# Altium PCB MU_MP_39_V1_ASMB.PcbDoc (part 7 of 15)
Units mm, origin at the board's own origin, x right, y up, seen from the top; angles counter-clockwise.
Board outline 133 x 94 mm, 8 copper layers (Top Layer, GND_1, POWER_1, POWER_2, GND_2, Inner_Layer, GND_3, Bottom Layer), stack 1.468 mm thick; 934 components, 729 nets, 4006 pads, 2645 vias.
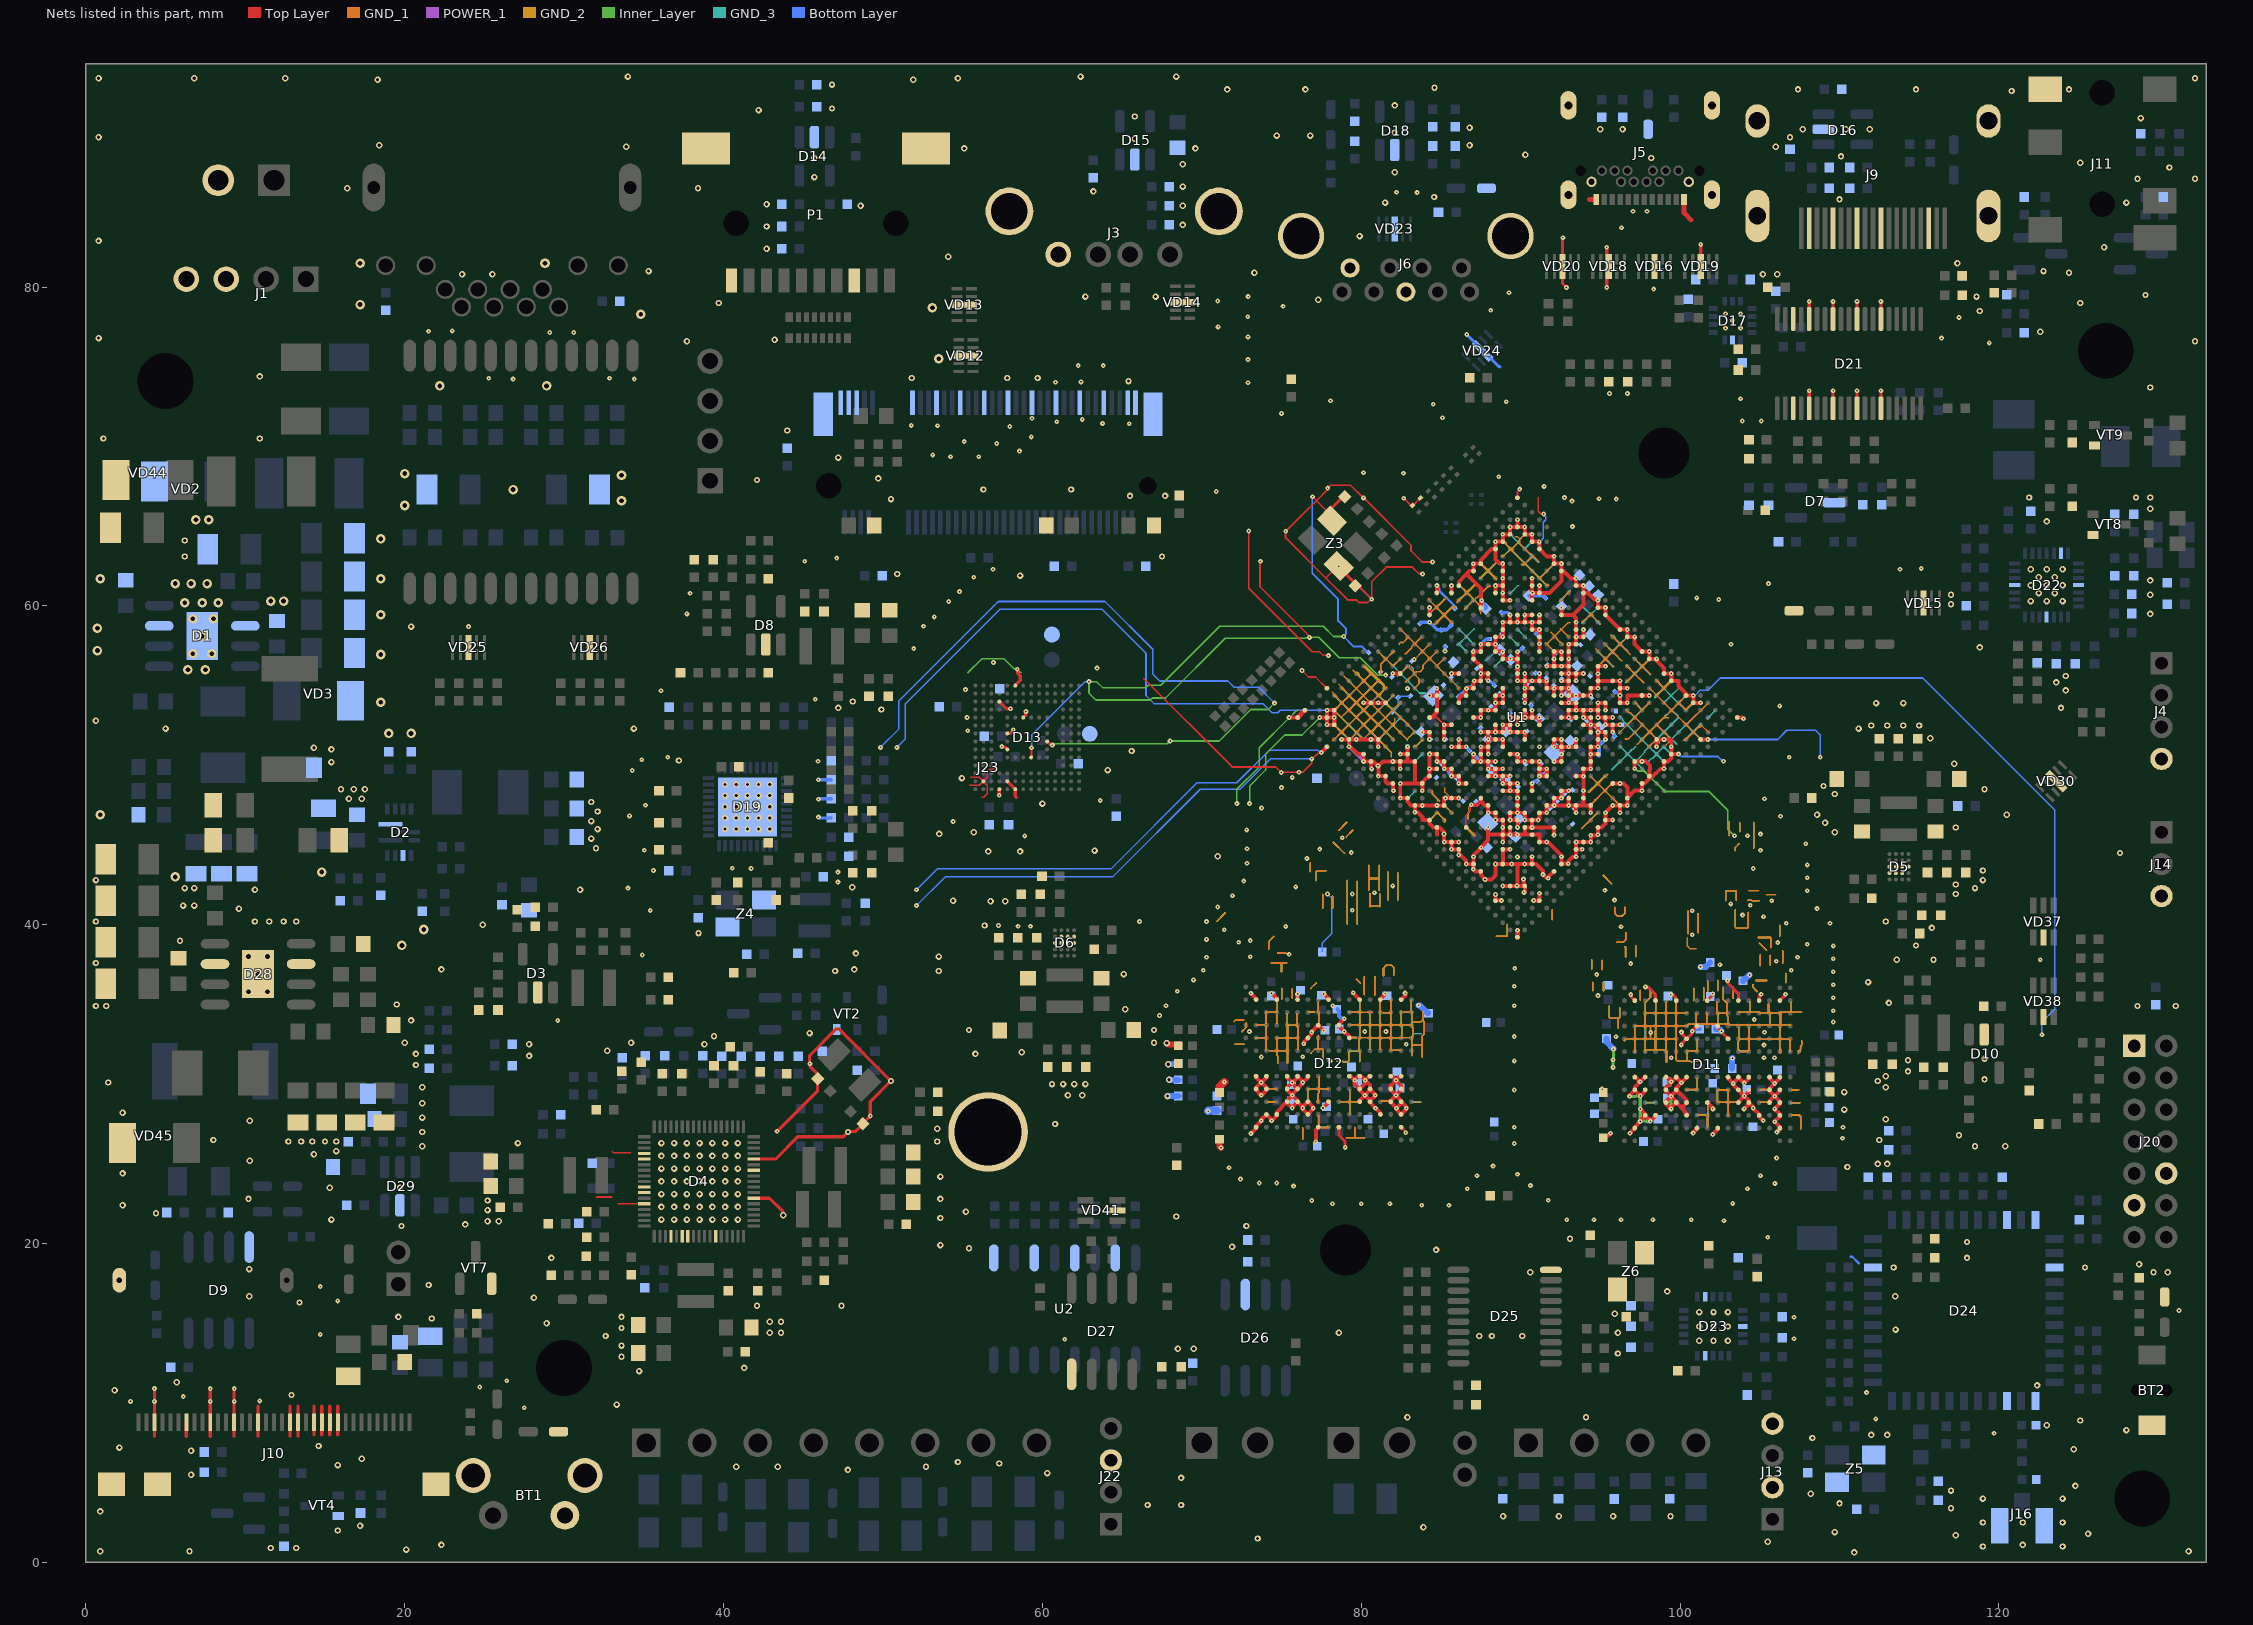
[diagram p13: the nets of this part, all layers, seen from the top]

## Via types
v1: diameter 0.3, hole 0.1, Top Layer to Bottom Layer, tented both sides, 1670 vias
v2: diameter 0.4, hole 0.2, Top Layer to Bottom Layer, tented both sides, 843 vias
v3: diameter 0.6, hole 0.3, Top Layer to Bottom Layer, tented both sides, 132 vias

## Nets (pads, with @x,y where several pads share a name; then routed paths per layer and width w, separated by ;. In a path a pad name is that pad's centre, name@x,y a point inside that pad or via, vN(x,y) a via of type N, cw(c..) or ccw(c..) an arc to the next point about the centre after c; other vN are vias at no path point) (continued)
GND: BT1.2 BT1.3 BT1.4 BT2.2 C2.1 C3.1 C4.1 C5.1 C6.1 C7.1 C8.1 C9.1 C10.1 C11.1 C12.1 C14.1 C15.1 C16.1 C17.1 C18.1 C19.2 C20.1 C21.1 C22.1 C23.1 C24.2 C25.2 C26.2 C27.2 C29.2 C30.2 C31.2 C32.2 C33.2 C34.2 C35.2 C36.2 C37.2 C38.2 C39.2 C40.2 C41.2 C42.2 C43.2 C44.2 C45.1 C46.2 C47.2 C48.2 C49.2 C50.1 C51.1 C52.1 C53.1 C54.2 C55.2 C56.2 C57.2 C58.2 C59.2 C60.2 C62.1 C63.1 C64.2 C65.1 C66.2 C67.2 C68.2 C69.2 C70.2 C71.1 C72.2 C73.1 C74.1 C75.1 C76.2 C77.2 C78.1 C79.1 C81.2 C83.2 C84.2 C85.2 C86.1 C87.1 C88.1 C89.1 C90.1 C91.2 C92.2 C93.2 C94.2 C95.2 C96.1 C97.1 C98.1 C99.1 C100.2 C101.2 C102.2 C103.2 C104.2 C105.2 C106.2 C107.2 C108.2 C109.2 C110.2 C111.1 C112.2 C114.2 C115.2 C116.2 C117.2 C118.2 C120.2 C121.2 C122.2 C123.2 C124.2 C125.2 C126.2 C127.2 C128.2 C129.2 C130.1 C131.2 C132.2 C133.2 C134.2 C135.2 C136.2 C137.2 C138.2 C139.2 C140.2 C141.2 C142.2 C143.2 C144.2 C145.2 C146.1 C147.2 C148.2 C149.2 C150.2 C151.2 C152.2 C153.2 C154.2 C155.2 C156.1 C157.2 C158.2 C159.2 C160.2 C161.2 C162.2 C163.2 C164.1 C165.2 C166.2 C167.2 C168.2 C169.2 C170.2 C171.2 C172.2 C173.2 C174.2 C175.2 C176.2 C177.1 C178.2 C179.2 C180.2 C181.2 C182.2 C183.2 C184.2 C185.2 C186.1 C187.2 C188.2 C189.2 C190.2 C191.2 C192.2 C193.2 C194.2 C195.2 C196.2 C197.2 C198.2 C199.2 C200.2 C203.2 C204.1 C205.1 C206.2 C207.1 C208.1 C209.1 C210.1 C211.1 C212.1 C213.2 C214.2 C215.2 C216.2 C217.2 C218.2 C219.2 C220.1 C221.2 C222.2 C223.2 C224.2 C225.2 C226.2 C227.2 C228.2 C229.2 C230.2 C231.2 C232.2 C233.2 C234.2 C235.2 C236.2 C237.2 C238.2 C239.1 C240.2 C241.2 C242.2 C243.2 C244.2 C245.2 C246.2 C247.1 C248.2 C249.2 C250.2 C251.2 C252.2 C253.2 C254.2 C255.1 C256.1 C257.1 C258.2 C259.2 C260.2 C261.1 C262.2 C263.1 C264.2 C265.2 C266.2 C267.1 C268.2 C269.2 C270.1 C271.1 C272.2 C273.1 C274.2 C275.2 C276.2 C277.2 C278.2 C279.2 C280.2 C281.2 C282.2 C283.2 C284.2 C285.2 C286.2 C287.2 C288.2 C289.2 C291.2 C293.2 C294.2 C295.2 C296.2 C297.2 C298.2 C299.2 C304.2 C305.2 C306.2 C307.2 C308.2 C309.1 C310.2 C311.2 C312.2 C313.2 C314.2 C315.2 C316.2 C317.2 C318.2 C319.2 C320.2 C321.2 C322.2 C323.2 C324.2 C325.2 C326.2 C327.2 C328.2 C329.2 C330.2 C331.2 C332.2 C333.2 C334.2 C335.2 C336.2 C337.2 C338.2 C339.2 C340.2 C341.2 C344.2 C345.2 C347.2 C349.1 C350.2 C351.2 C352.2 C353.2 C354.2 C355.2 C356.2 C357.2 C358.2 C359.2 C360.2 C361.2 C366.2 C367.2 C372.2 C373.2 C374.1 C375.1 C378.1 C379.2 C380.2 C381.2 C382.2 C384.2 C386.2 C389.2 C390.2 C391.1 C392.2 C393.2 C394.2 C395.2 C396.2 C397.2 C398.1 C399.2 C400.2 C401.2 C402.2 C403.1 C404.2 C405.1 C406.2 C407.1 C408.2 C409.1 C410.1 C411.1 C413.2 C414.2 C415.2 C416.2 C417.2 C418.2 C419.1 C420.2 C421.2 C422.2 C423.2 C424.2 C425.2 C426.2 C427.2 C428.2 C429.2 C440.2 C441.2 C442.1 C443.2 C444.1 C445.2 C446.1 C447.2 C449.1 C450.1 C451.1 C452.1 C453.1 C454.1 C455.1 C456.1 C457.1 C458.1 C459.1 C462.1 C463.1 C464.2 C465.2 C466.2 C467.2 C468.1 D1.3 D1.6 D1.9 D2.2 D2.10 D3.2 D4.21 D4.22 D4.27 D4.28 D4.30 D4.38 D4.40 D4.41 D4.46 D4.57 D4.62 D4.64 D4.69 D5.B2 D5.B3 D5.B4 D5.C1 D5.C2 D5.C3 D5.C4 D6.B2 D6.B3 D6.B4 D6.C1 D6.C2 D6.C3 D6.C4 D7.2 D8.2 D9.4 D10.2 D11.B2 D11.B5 D11.B6 D11.B12 D11.C3 D11.C5 D11.C6 D11.D3 D11.D12 D11.E4 D11.E5 D11.E6 D11.F4 D11.F5 D11.F6 D11.F12 D11.G3 D11.G4 D11.G6 D11.G9 D11.H2 D11.H10 D11.J4 D11.J12 D11.K2 D11.K10 D11.L6 D11.L9 D11.M4 D11.M5 D11.M6 D11.M12 D11.N4 D11.N5 D11.N6 D11.P3 D11.P12 D11.R4 D11.R5 D11.R6 D11.T2 D11.T3 D11.T4 D11.T5 D11.T6 D11.T12 D12.B2 D12.B5 D12.B6 D12.B12 D12.C3 D12.C5 D12.C6 D12.D3 D12.D12 D12.E4 D12.E5 D12.E6 D12.F4 D12.F5 D12.F6 D12.F12 D12.G3 D12.G4 D12.G6 D12.G9 D12.H2 D12.H10 D12.J4 D12.J12 D12.K2 D12.K10 D12.L6 D12.L9 D12.M4 D12.M5 D12.M6 D12.M12 D12.N4 D12.N5 D12.N6 D12.P3 D12.P12 D12.R4 D12.R5 D12.R6 D12.T2 D12.T3 D12.T4 D12.T5 D12.T6 D12.T12 D13.A6 D13.C4 D13.E7 D13.G5 D13.H10 D13.J5 D13.K8 D13.N2 D13.N5 D13.P4 D13.P6 D14.2 D15.2 D16.2 D17.9 D17.15 D18.2 D19.41 D21.3 D21.5 D21.8 D21.11 D21.14 D21.25 D21.28 D21.31 D21.34 D21.36 D22.4 D22.13 D22.18 D22.25 D22.29 D23.4 D23.12 D23.18 D23.21 D24.1 D24.3 D24.20 D24.31 D24.33 D24.36 D25.10 D26.2 D27.5 D28.3 D28.6 D28.9 D29.2 J1.3 J1.4 J2.2 J3.4 J3.S1 J3.S2 J4.4 J5.A1 J5.A12 J5.B1 J5.B12 J5.E1 J5.E2 J5.E3 J5.E4 J6.4 J6.7 J6.10 J6.11 J9.2 J9.5 J9.8 J9.11 J9.17 J9.20 J9.21 J9.22 J9.23 J10.3 J10.7 J10.10 J10.13 J10.16 J10.20 J10.21 J10.23 J10.24 J10.25 J10.26 J10.41 J10.42 J10.43 J11.5 J13.2 J13.4 J14.3 J16.2 J16.3 J20.1 J20.10 J20.11 J22.3 J23.1 J23.3 J23.9 J23.15 J23.21 J23.27 J23.33 J23.39 J23.45 J23.51 J23.57 J23.71 J23.73 J23.75 J23.76 J23.77 J23.Bush L21.2 L22.2 P1.6 P1.10 P1.11 P1.12 R5.1 R9.1 R13.1 R14.1 R16.1 R20.1 R27.1 R28.1 R29.1 R33.1 R36.1 R39.1 R46.1 R47.1 R54.1 R55.2 R56.2 R61.1 R62.1 R65.1 R66.1 R67.1 R68.1 R69.1 R70.1 R76.1 R78.1 R83.2 R84.1 R85.1 R90.2 R92.2 R94.1 R95.1 R97.2 R98.1 R99.2 R100.1 R102.2 R103.2 R107.2 R110.1 R128.2 R132.2 R134.2 R162.1 R164.1 R166.2 R167.1 R168.1 R169.2 R170.1 R171.1 R186.1 R190.1 R191.2 R201.2 R202.1 R203.1 R215.1 R217.1 R219.1 R220.1 R221.1 R227.1 R230.1 R233.1 R256.1 R257.2 R263.2 R306.1 R309.1 R310.1 TP6.1 TP8.1 U1.A1 U1.A27 U1.A31 U1.AA3 U1.AA5 U1.AA9 U1.AA10 U1.AA11 U1.AA12 U1.AA13 U1.AA14 U1.AA15 U1.AA23 U1.AA26 U1.AA29 U1.AB9 U1.AB10 U1.AB11 U1.AB13 U1.AB15 U1.AB16 U1.AB17 U1.AB19 U1.AB23 U1.AC3 U1.AC11 U1.AC13 U1.AC15 U1.AC16 U1.AC17 U1.AC18 U1.AC20 U1.AC21 U1.AC22 U1.AC23 U1.AC25 U1.AC26 U1.AC29 U1.AD3 U1.AD5 U1.AD10 U1.AD13 U1.AD17 U1.AD21 U1.AD22 U1.AD26 U1.AD29 U1.AE11 U1.AE12 U1.AE14 U1.AE17 U1.AE23 U1.AE27 U1.AF9 U1.AF17 U1.AF18 U1.AF20 U1.AF23 U1.AF24 U1.AF29 U1.AG2 U1.AG29 U1.AH29 U1.AJ5 U1.AJ6 U1.AJ8 U1.AJ9 U1.AJ11 U1.AJ12 U1.AJ14 U1.AJ15 U1.AJ17 U1.AJ18 U1.AJ20 U1.AJ21 U1.AJ23 U1.AJ24 U1.AJ26 U1.AJ27 U1.AJ28 U1.AJ29 U1.AL1 U1.AL31 U1.B5 U1.B31 U1.C8 U1.C9 U1.C11 U1.C12 U1.C14 U1.C15 U1.C17 U1.C18 U1.C20 U1.C21 U1.C23 U1.C24 U1.C26 U1.C28 U1.C29 U1.D5 U1.D29 U1.E2 U1.E4 U1.E7 U1.E12 U1.E15 U1.E18 U1.E21 U1.E24 U1.E31 U1.F8 U1.F15 U1.F18 U1.F20 U1.F21 U1.G5 U1.G9 U1.G18 U1.G27 U1.H3 U1.H9 U1.H10 U1.H11 U1.H12 U1.H13 U1.H15 U1.H16 U1.H17 U1.H18 U1.H19 U1.H26 U1.J3 U1.J6 U1.J7 U1.J8 U1.J9 U1.J10 U1.J21 U1.K8 U1.K9 U1.K10 U1.K12 U1.K14 U1.K16 U1.K18 U1.K20 U1.K22 U1.L3 U1.L6 U1.L8 U1.L11 U1.L12 U1.L13 U1.L14 U1.L15 U1.L16 U1.L20 U1.L22 U1.L27 U1.M3 U1.M8 U1.M10 U1.M16 U1.M23 U1.N8 U1.N13 U1.N14 U1.N15 U1.N16 U1.N17 U1.N19 U1.N21 U1.P3 U1.P6 U1.P7 U1.P8 U1.P10 U1.P11 U1.P12 U1.P16 U1.P17 U1.P19 U1.P21 U1.R3 U1.R5 U1.R6 U1.R14 U1.R15 U1.R16 U1.R18 U1.R21 U1.R23 U1.T8 U1.T10 U1.T16 U1.T18 U1.T19 U1.T21 U1.U3 U1.U8 U1.U11 U1.U12 U1.U14 U1.U15 U1.U16 U1.U19 U1.U21 U1.U22 U1.U23 U1.U29 U1.V3 U1.V5 U1.V8 U1.V10 U1.V17 U1.V23 U1.W8 U1.W9 U1.W13 U1.W17 U1.W18 U1.W19 U1.W21 U1.W22 U1.W23 U1.W30 U1.Y3 U1.Y9 U1.Y10 U1.Y11 U1.Y12 U1.Y13 U1.Y14 U1.Y15 U1.Y16 U1.Y17 U1.Y20 U1.Y23 U1.Y29 U2.9 U2.11 U2.13 U2.15 VD2.1 VD3.1 VD7.1 VD12.3 VD13.3 VD14.3 VD15.3 VD16.3 VD17.1 VD18.3 VD19.3 VD20.3 VD22.1 VD23.3 VD24.3 VD25.3 VD26.3 VD29.1 VD30.3 VD32.1 VD37.2 VD38.2 VD41.2 VD44.1 VD45.1 VT2.2 VT4.2 VT7.2 VT8.2 VT9.2 Z3.2 Z3.4 Z4.2 Z4.4 Z5.2 Z5.4 Z6.2 Z6.4 | length 1759.5
  Top Layer w0.08: 55.425,48.75 56.05,48.75 D13.N2@56.3,49 ; 55.475,49.25 56.05,49.25 D13.N2@56.3,49 ; 56.2,48 56.326,48 56.545,48.219 56.545,48.755 D13.N2@56.3,49 ; 57.125,49.875 57.021,49.875 56.892,49.745 56.699,49.745 56.55,49.597 56.55,49.25 D13.N2@56.3,49
  Top Layer w0.1: 32.032,22.895 32.057,22.92 32.982,22.92 ; 33.032,25.77 33.107,25.695 34.175,25.695 ; 33.4,22.5 33.405,22.495 D4.30@35.022,22.495 ; v1(72.95,64.7) 72.95,61.1 76.925,57.125 77.377,57.125 77.609,56.893 77.936,56.893 v1(77.944,56.885) ; U1.A31@76.011,53 U1.A31@76.05,53.038 ; U1.E12@86.583,46.106 86.568,46.121 86.568,46.868 86.825,47.125 86.825,47.395 86.9,47.469 86.9,47.518 v1(86.9,47.523)
  Top Layer w0.11: 66.382,55.418 71.9,49.9 74.625,49.9 v1@74.975,49.55 ; v1(73.675,62.8) 73.651,62.776 73.651,61.199 76.675,58.175 76.675,58.152 76.751,58.076 v1(76.751,58.025) ; v1(74.978,49.547) v1@74.975,49.55 ; v1(76.287,55.946) 76.694,55.54 77.135,55.54 77.837,54.838 U1.E31@77.85,54.838 ; v1(76.95,66.85) 77.196,66.604 77.939,67.346 v1(77.895,67.39) ; v1(77.5,50.8) 77.464,50.764 77.296,50.764 76.969,50.436 76.936,50.436 v1(76.9,50.4) 76.9,50.125 76.342,49.567 v1(76.1,49.567) 76.091,49.559 74.984,49.559 v1@74.975,49.55 ; U1.C29@77.85,53 U1.C29@77.851,53.001 ; v1@77.915,67.39 77.919,67.39 78.104,67.575 79.325,67.575 80.125,66.775 v1(80.15,66.775) 83.125,63.8 83.125,63.45 83.821,62.754 v1(84.477,62.754) ; Z3.4@78.163,65.339 78.163,65.637 78.105,65.695 77.194,66.606 76.376,65.789 v1(75.268,64.681) 75.259,64.671 75.259,64.265 77.774,61.749 ; Z3.2@78.587,62.511 78.536,62.511 77.774,61.749 ; C314.2@79.707,61.332 79.743,61.332 v1@80.656,60.419 ; v1(82.675,66.75) 83.131,66.294 R84.1@83.23,66.294 ; R84.1@83.231,66.294 R85.1@83.706,66.769 ; v1(83.85,62) 83.825,62.025 83.625,62.025 83.214,62.436 81.561,62.436 80.656,61.531 v1@80.656,60.419 ; U1.AL31@89.8,66.789 89.8,67.166 89.95,67.316 v1(89.95,67.325) ; 91.1,66.8 91.1,65.941 91.252,65.789 91.431,65.789 v1(91.454,65.766) ; 77.774,61.749 79.149,60.375 79.682,60.375 79.843,60.214 80.414,60.214 80.617,60.417 v1(80.656,60.417) v1@80.656,60.419
  Top Layer w0.12: D13.K8@59.3,50.5 59.312,50.513 59.312,51.087 v1(59.325,51.1)
  Top Layer w0.127: U1.K22@84.415,53 84.748,53 v1(85.206,52.542)
  Top Layer w0.2: 4.3,7.9 J10.3@4.3,8.8 v1(4.3,10.9) ; 6.3,7.9 J10.7@6.3,8.8 ; 7.8,7.9 J10.10@7.8,8.8 v1(7.8,10.1) v1(7.8,10.9) ; 9.3,7.9 J10.13@9.3,8.8 v1(9.3,10.1) v1(9.3,10.9) ; 10.8,7.9 J10.16@10.8,8.8 10.8,9.8 ; 12.8,7.9 J10.20@12.8,8.8 12.8,9.8 ; 13.3,7.9 J10.21@13.3,8.8 13.3,9.8 ; 14.3,8 J10.23@14.3,8.8 14.3,9.8 ; 14.8,8 J10.24@14.8,8.8 14.8,9.8 ; 15.3,8 J10.25@15.3,8.8 15.3,9.8 ; 15.8,8 J10.26@15.8,8.8 15.8,9.8 ; D4.57@41.892,22.845 42.882,22.845 43.712,22.015 43.712,21.813 v2(43.75,21.775) ; D4.64@41.892,25.295 43.257,25.295 44.657,26.695 47.507,26.695 v2(47.807,26.995) ; v1(43.357,27.045) 45.9,29.588 45.9,30.051 45.909,30.06 45.9,30.069 C75.1@45.9,30.333 ; C75.1@45.9,30.352 45.909,30.361 45.909,30.625 45.419,31.116 v1(45.419,31.281) 45.4,31.3 45.4,31.8 47.067,33.467 47.233,33.467 v2(50.5,30.2) ; v2@47.845,27.033 48.283,27.033 C74.1@48.746,27.496 ; C74.1@48.746,27.506 48.746,27.546 v1(49.2,28) 49.2,28.9 v2@50.496,30.196 ; v1@57.3,48.147 D13.P4@57.3,48.5 ; D13.C4@57.3,54 57.747,53.553 v1(58,53.553) ; v1(57.454,51.175) 57.473,51.156 57.644,51.156 D13.J5@57.8,51 ; D13.N5@57.8,49 D13.P6@58.3,48.5 58.3,48.071 58.36,48.011 58.36,47.984 ; D13.G5@57.8,52 57.81,52.01 57.985,52.01 58.156,52.181 58.156,52.211 v1(58.176,52.231) ; D13.A6@58.309,55.01 58.309,55.018 58.617,55.325 58.617,55.615 58.435,55.798 58.435,56.015 v1(58.425,56.025) ; D13.E7@58.8,53 58.953,53.153 58.953,53.358 v1(58.968,53.374) ; D13.H10@60.3,51.5 60.495,51.305 60.525,51.305 60.541,51.288 60.612,51.288 v1(60.631,51.269) ; Z3.4@78.163,65.339 78.105,65.397 78.105,65.695 78.105,66.105 78.857,66.857 C315.2@78.968,66.857 ; Z3.2@78.587,62.451 C314.2@79.707,61.332 ; v1(78.6,62.475) 78.6,62.498 Z3.2@78.587,62.511 Z3.2@78.65,62.574 ; D12.K2@78.605,27.301 78.605,26.802 78.986,26.42 78.986,26.05 v1(79.005,26.031) ; D12.T2@82.504,27.301 82.776,27.03 82.776,26.973 v1(82.795,26.953) ; v1(92.65,83.1) 92.65,83.073 92.625,83.048 VD20.3@92.625,81.3 92.625,80.225 v1(92.875,79.975) ; v1@95.4,79.954 v1(95.4,82.5) ; v1(96.906,35.617) 96.925,35.597 96.925,35.483 D11.B12@97.163,35.245 ; v1(97.825,36.1) 97.844,36.081 97.994,36.081 98.444,35.631 98.444,35.265 D11.D12@98.463,35.245 ; v1(99.43,35.615) 99.449,35.596 99.579,35.596 99.744,35.431 99.744,35.265 D11.F12@99.763,35.245 ; v1(100.082,32.461) 100.102,32.48 100.102,32.546 D11.G9@100.401,32.845 ; v1(100.088,33.265) 100.107,33.246 100.107,33.151 D11.G9@100.413,32.845 100.754,33.186 100.754,33.299 v1(100.773,33.319) ; v1@100.792,33.338 100.792,33.375 D11.H10@101.063,33.645 ; VD19.3@101.3,81.3 v1(101.3,82.675) ; D11.J12@101.713,35.245 102.031,35.564 102.031,35.656 v1(102.05,35.675) ; D11.K10@102.363,33.645 102.382,33.626 102.382,33.517 102.58,33.319 v1(102.602,33.319) 102.621,33.299 102.621,33.237 D11.L9@103.013,32.845 D11.L9@103.013,32.836 ; v1(102.983,36.493) 103.002,36.474 103.002,36.344 103.663,35.683 D11.M12@103.663,35.245 ; D11.P12@104.963,35.245 104.974,35.257 104.974,35.497 105.087,35.61 v1(105.087,35.637) ; D11.T12@106.263,35.245 106.295,35.278 106.601,35.584 106.601,35.626 v1(106.62,35.645) ; D21.5@108.1,72.4 v1(108.1,73.5) ; D21.34@108.1,78 v1(108.1,79.1) ; D21.8@109.6,72.4 v1(109.6,73.5) ; D21.31@109.6,78 v1(109.6,79.1) ; D21.11@111.1,72.4 v1(111.1,73.5) ; D21.28@111.1,78 v1(111.1,79.1) ; D21.14@112.6,72.4 v1(112.6,73.5) ; D21.25@112.6,78 v1(112.6,79.1)